# Allegro board dspeak-v1_00-0b.brd (continued)
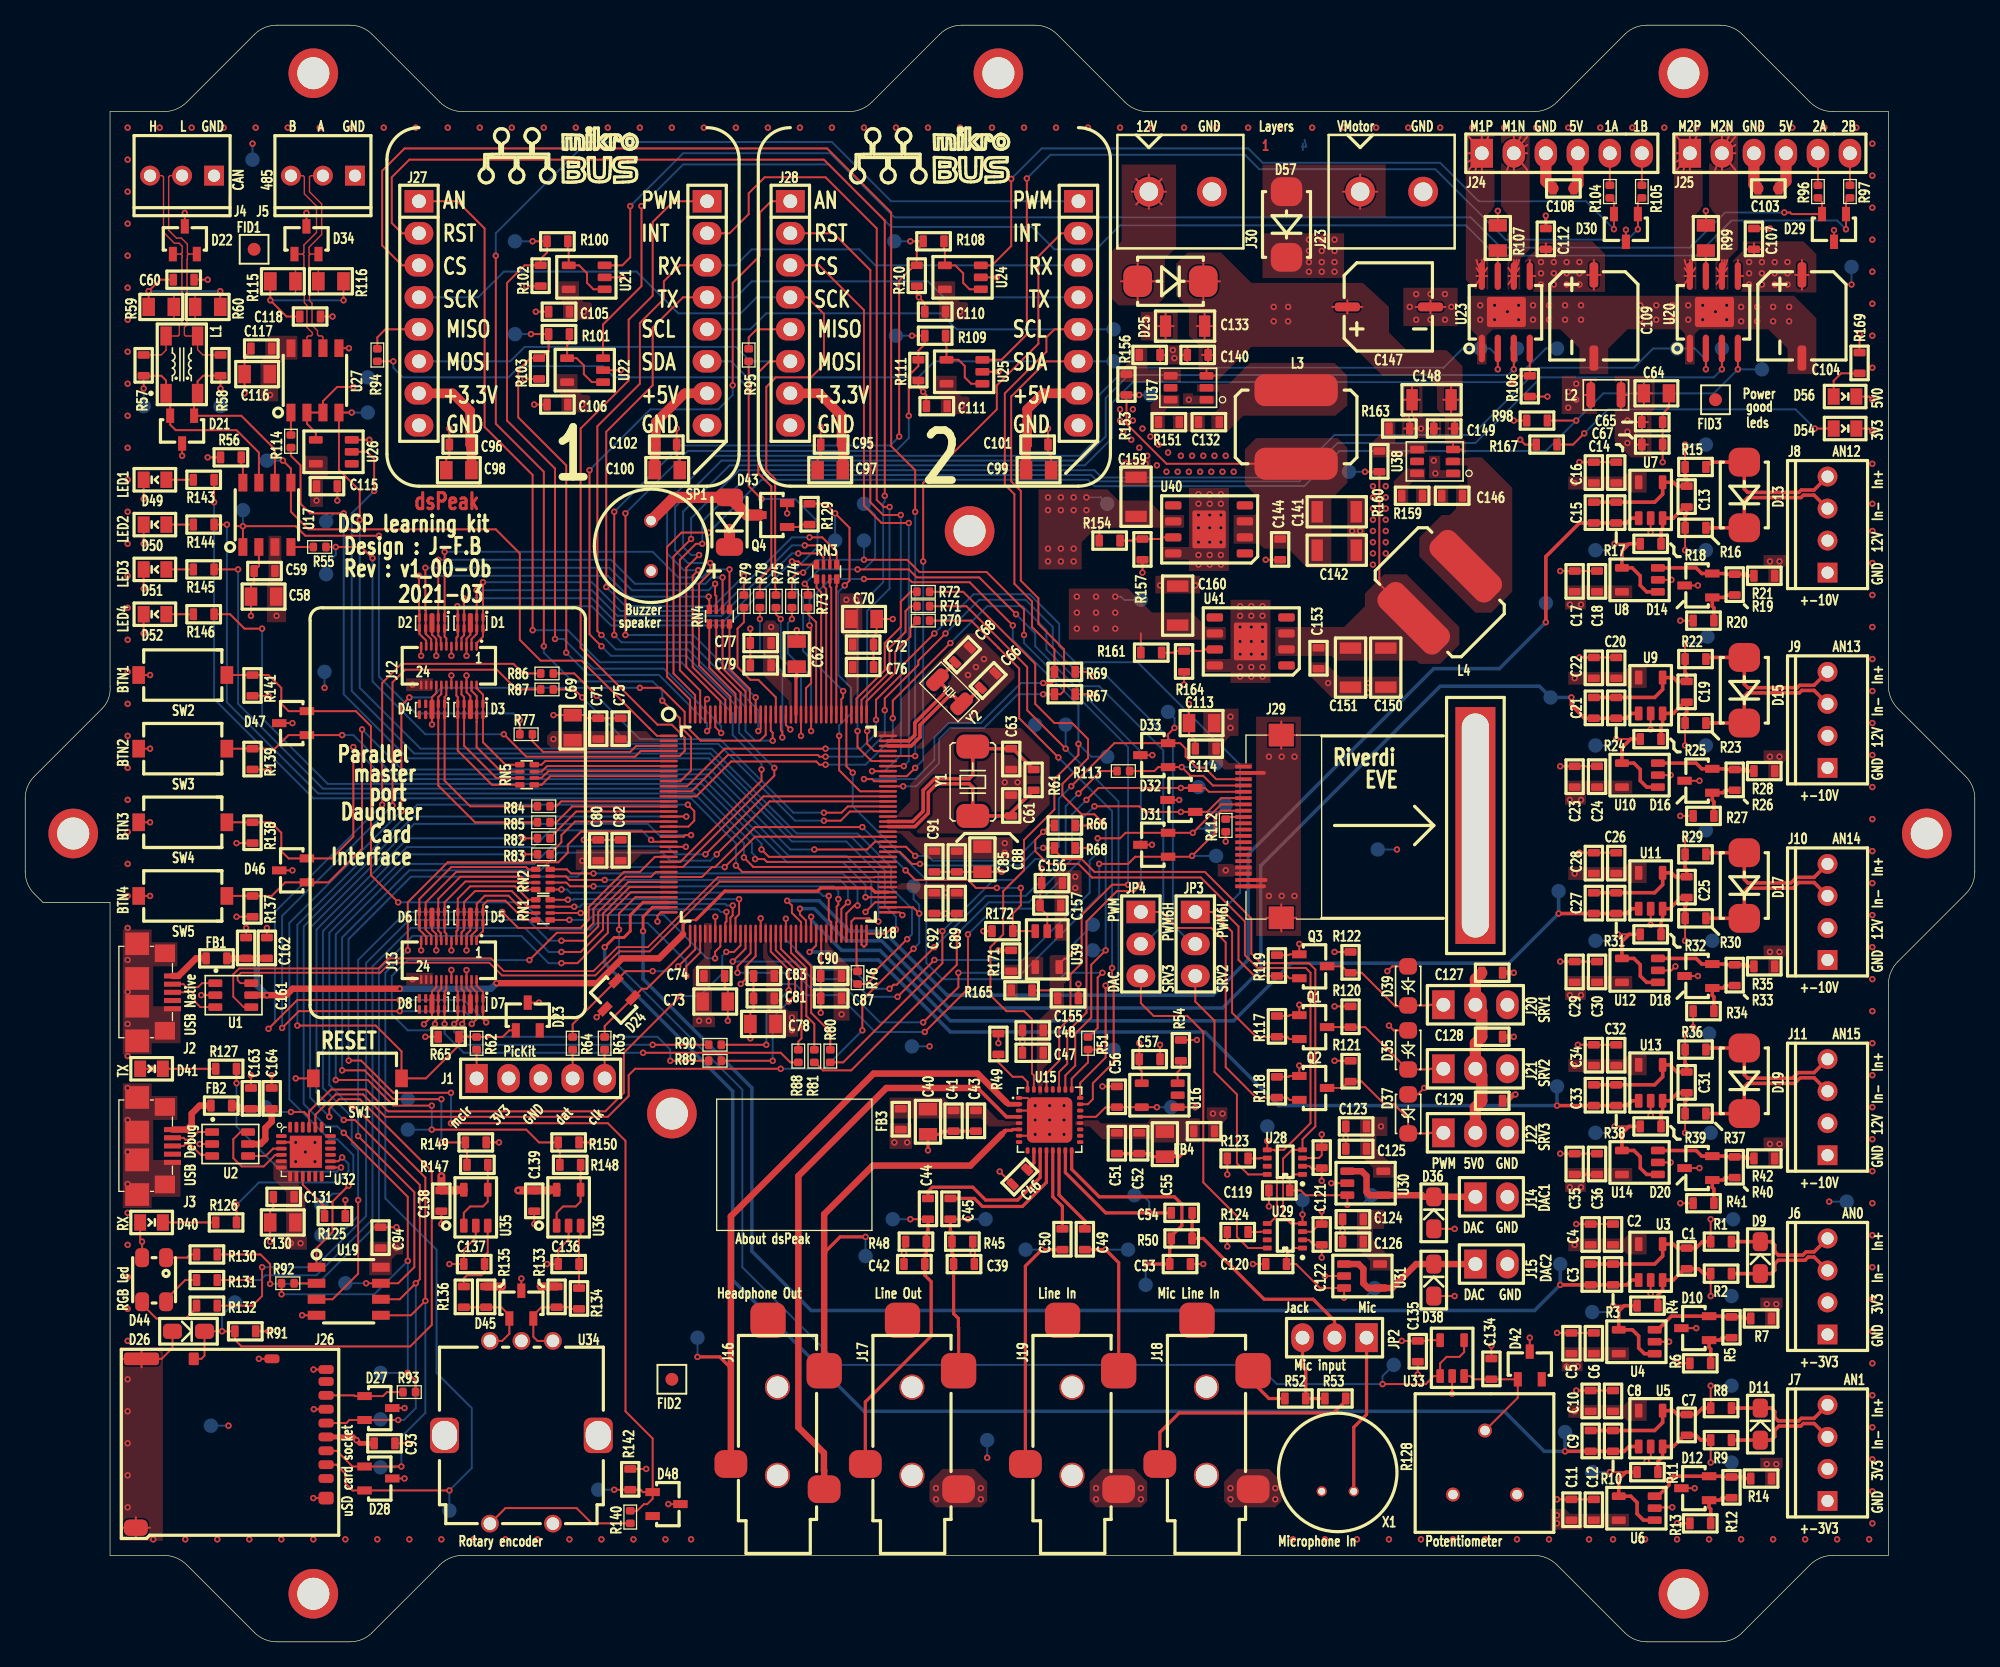
[diagram p0: board, top side]
## Routing (per net, layer and track width the routed paths; a pad name or vN(x,y) marks a point on that pad's centre or on a via; arc(x,y) is an arc through that point) (continued)
N843649_P5: length 62.5
  TOP w0.152: R104.2 126.06,114.24 D30.2 v1(126.06,112.09) ; U24.3 76.7,109.21 78.23,110.74 v1(78.23,116.08)
  BOTTOM w0.152: v1(78.23,116.08) 80.64,118.49 97.05,118.49 98.19,117.35 112.27,117.35 115.32,114.3 123.84,114.3 v1(126.06,112.09)
N844403_P4: length 6
  TOP w0.152: U22.1 44.96,99.95 44.32,100.58 44.32,101.28 43.75,101.85 U22.4 43,102.9 43.18,103.08 43.18,103.76
N844403_P5: length 6.1
  TOP w0.152: U25.1 75.06,99.82 74.55,100.33 74.55,101.22 74.05,101.72 U25.4 73.1,102.88 73.02,102.95 R109.2
N846095_P4: length 118.9
  TOP w0.152: U22.3 45.85,104.52 48.9,107.57 v1(48.9,113.92) ; R97.2 144.47,114.26 D29.1 v1(144.47,112.07)
  BOTTOM w0.152: v1(48.9,113.92) 52.2,117.22 63.75,117.22 68.71,112.27 79.88,112.27 81.66,110.49 84.96,110.49 86.87,112.4 114.3,112.4 116.71,109.98 132.59,109.98 135.38,112.78 143.76,112.78 v1(144.47,112.07)
N846095_P5: length 71.8
  TOP w0.152: R105.2 127.96,114.26 D30.1 v1(127.96,112.07) ; U25.3 76.7,101.72 76.7,101.73 77.47,101.73 79.47,103.73 v1(79.47,116.11)
  BOTTOM w0.152: v1(79.47,116.11) 81.34,117.98 96.77,117.98 97.92,116.84 111.89,116.84 117.47,111.25 127.13,111.25 v1(127.96,112.07)
N974265_P4: length 6
  TOP w0.152: R100.2 43.05,110.45 43.12,110.38 U21.4 43.95,109.21 44.58,108.59 44.58,107.82 45.09,107.31 U21.1
N974265_P5: length 6
  TOP w0.152: U24.1 74.93,107.31 74.42,107.82 74.42,108.59 73.79,109.21 U24.4 72.97,110.38 72.9,110.45 R108.2
N992554_P10: length 3.7
  TOP w0.279: R20.2 133.99,82.04 133.86,82.17 D14.1 134.81,82.86 135,83.06 R19.1
N992554_P13: length 3.7
  TOP w0.279: R26.1 134.89,67.56 134.7,67.37 D16.1 133.86,66.79 133.99,66.66 R27.2
N992554_P14: length 3.7
  TOP w0.279: R34.2 133.99,51.17 133.86,51.29 D18.1 134.7,51.88 134.89,52.07 R33.1
N992554_P15: length 3.7
  TOP w0.279: R40.1 134.89,36.83 134.7,36.64 D20.1 133.86,36.05 133.99,35.93 R41.2
N994718_P6: length 14.5
  TOP w0.152: R8.2 v1(133.73,20.32)
  TOP w0.279: C9.1 R10.1 129.29,16.76 129.92,17.4 129.92,18.34 U5.4 130.77,18.34 131.08,18.03 C7.1 132.57,18.03 133.08,18.54 R8.2
  BOTTOM w0.152: v1(133.73,20.32) TP21.1
N994718_P20: length 14.6
  TOP w0.152: R1.2 v1(133.73,33.53)
  TOP w0.279: C3.1 R3.1 129.29,29.97 129.92,30.61 129.92,31.55 U3.4 130.77,31.55 131.08,31.24 C1.1 132.57,31.24 133.08,31.75 R1.2
  BOTTOM w0.152: v1(133.73,33.53) TP17.1
N995010_P6: length 10
  TOP w0.152: R9.2 v1(133.73,14.22)
  TOP w0.279: R9.2 132.95,16 132.57,16.38 C7.2 131.65,16.38 130.76,15.49 U5.3 129.92,14.68 129.54,14.3 R11.1
  BOTTOM w0.152: v1(133.73,14.22) TP23.1
N995010_P20: length 10
  TOP w0.152: R2.2 v1(133.73,27.43)
  TOP w0.279: R4.1 129.54,27.51 129.92,27.89 U3.3 130.76,28.7 131.65,29.59 C1.2 132.78,29.59 133.16,29.21 R2.2
  BOTTOM w0.152: v1(133.73,27.43) TP19.1
N995406_P6: length 9.9
  TOP w0.152: 127,13.46 v1(125.73,13.46)
  TOP w0.279: U6.1 128.4,9.65 127.89,10.16 127.89,11.05 127.39,11.55 U6.4 126.44,12.9 127,13.46 R11.2
  BOTTOM w0.152: v1(125.73,13.46) TP24.1
N995406_P20: length 10
  TOP w0.152: v1(125.98,26.67) 126.87,26.67
  TOP w0.279: R4.2 126.87,26.67 126.44,26.23 U4.4 127.51,24.76 128.02,24.26 128.02,23.31 128.47,22.86 U4.1
  BOTTOM w0.152: TP20.1 125.48,26.16 v1(125.98,26.67)
N995498_P6: length 3.7
  TOP w0.279: R12.1 134.64,11.43 134.45,11.24 D12.1 133.6,10.65 133.73,10.53 R13.2
N995498_P20: length 3.7
  TOP w0.279: R6.2 133.73,23.23 133.6,23.35 D10.1 134.45,23.94 134.64,24.13 R5.1
NFAULT1: length 98.6
  TOP w0.152: U18.138 55.15,74.64 52.45,77.34 52.45,85.22 v1(53.47,86.23) ; v1(117.98,99.95) 118.49,100.46 119.38,100.46 U23.4
  BOTTOM w0.152: v1(53.47,86.23) 52.83,86.23 52.2,86.87 52.2,89.66 55.88,93.34 84.07,93.34 86.23,95.5 86.23,98.3 87.88,99.95 v1(117.98,99.95) 120.65,102.62 TP55.1
NFAULT2: length 111.1
  TOP w0.152: R98.2 v1(123.06,96.9) ; U20.4 v1(135.89,100.97) ; v1(54.23,88.01) 52.07,88.01 50.93,86.87 50.93,76.58 52.75,74.75 U18.144
  BOTTOM w0.152: v1(54.23,88.01) 58.42,92.2 84.33,92.2 84.84,91.69 101.47,91.69 104.27,94.49 120.65,94.49 v1(123.06,96.9) 125.22,99.06 133.99,99.06 v1(135.89,100.97) TP61.1
OSC1: length 17.3
  TOP w0.279: R61.1 78.23,65.79 C61.1 Y1.1 75.18,67.8 74.9,68.08 72.34,68.08 71.65,67.4 71.65,65.74 70.59,64.68 U18.90
OSC2: length 17.1
  TOP w0.279: 80.01,69.22 78.36,70.87 C63.1 75.35,70.87 Y1.2 75.18,68.76 74.9,68.49 72.17,68.49 71.25,67.56 71.25,65.91 70.42,65.09 68.46,65.09 U18.91
PMA0: length 38.2
  TOP w0.152: J12.1 35.81,79.24 36.32,79.75 D1.9 D1.1 v1(36.32,84.07) ; RN3.1 64.39,86.49 63.25,87.63 v1(62.23,87.63)
  BOTTOM w0.152: v1(62.23,87.63) 60.83,87.63 54.99,81.79 47.24,81.79 44.96,84.07 v1(36.32,84.07)
PMA1: length 36.9
  TOP w0.152: v1(35.81,83.44) 35.81,82.98 35.82,82.97 D1.2 D1.8 35.82,79.97 35.41,79.56 J12.3 ; RN3.2 63.84,86.28 63.12,87 v1(61.85,87)
  BOTTOM w0.152: v1(35.81,83.44) 44.96,83.44 46.99,81.41 55.25,81.41 60.83,87 v1(61.85,87)
PMA2: length 36.1
  TOP w0.152: v1(61.34,86.36) 63.03,86.36 63.34,86.05 RN3.3 ; J12.7 34.61,79.66 34.82,79.86 D1.7 D1.4 34.82,82.32 34.8,82.35 v1(34.8,82.8)
  BOTTOM w0.152: v1(61.34,86.36) 60.83,86.36 60.66,86.18 60.64,86.18 55.49,81.03 46.74,81.03 44.96,82.8 v1(34.8,82.8)
PMA3: length 34.6
  TOP w0.152: RN3.4 61.59,85.47 61.34,85.73 v1(60.83,85.73) ; J12.9 34.21,79.68 34.32,79.79 D1.6 D1.5 34.32,82.14 v1(34.29,82.17)
  BOTTOM w0.152: v1(60.83,85.73) 55.75,80.65 46.48,80.65 44.96,82.17 v1(34.29,82.17)
PMA4: length 34.4
  TOP w0.152: J12.13 33.41,79.62 33.27,79.76 D2.9 D2.1 v1(33.27,86.49) ; RN4.1 v1(55.88,85.09)
  BOTTOM w0.152: v1(33.27,86.49) 49.78,86.49 51.82,84.45 53.72,84.45 54.36,85.09 v1(55.88,85.09)
PMA5: length 33.1
  TOP w0.152: J12.15 32.97,79.04 32.97,79.65 32.77,79.85 D2.8 D2.2 32.77,85.39 32.77,85.39 v1(32.77,85.85) ; v1(55.33,84.45) RN4.2
  BOTTOM w0.152: v1(55.33,84.45) 54.48,84.45 53.98,83.95 48.39,83.95 46.48,85.85 v1(32.77,85.85)
PMA6: length 32.4
  TOP w0.152: J12.19 32.21,79.55 31.77,79.99 D2.7 D2.4 31.77,81.82 31.75,81.84 v1(31.75,85.22) ; v1(54.74,83.95) 54.74,83.07 54.83,82.97 RN4.3
  BOTTOM w0.152: v1(54.74,83.95) 54.23,83.44 48.13,83.44 46.36,85.22 v1(31.75,85.22)
PMA7: length 30.5
  TOP w0.152: v1(31.24,84.58) 31.24,81.85 31.27,81.82 D2.5 D2.6 31.27,79.98 31.81,79.44 J12.21 ; RN4.4 54.28,82.63 54.23,82.68 v1(54.23,82.93)
  BOTTOM w0.152: v1(54.23,82.93) 47.88,82.93 46.23,84.58 v1(31.24,84.58)
PMA8: length 8.4
  TOP w0.152: J12.2 35.81,75.66 36.32,75.16 D3.1 D3.9 36.32,71.37 38.1,69.6 RN5.1
PMA9: length 9.3
  TOP w0.152: RN5.2 37.76,69.05 35.81,70.99 35.81,73 35.82,73.01 D3.8 D3.2 35.82,75.05 35.41,75.46 J12.4
PMA10: length 10.4
  TOP w0.152: RN5.3 37.37,68.55 34.82,71.1 D3.7 D3.4 34.82,74.96 34.61,75.17 J12.8
PMA11: length 11.3
  TOP w0.152: J12.10 34.21,75.07 34.32,74.96 D3.5 D3.6 34.32,70.71 37.03,68 RN5.4
PMA12: length 15.9
  TOP w0.152: J12.14 33.41,75.1 33.27,74.96 D4.1 D4.9 33.27,68.33 35.31,66.29 R84.1
PMA13: length 17.1
  TOP w0.152: R85.1 35.69,65.02 32.77,67.94 D4.8 D4.2 32.77,74.96 33.01,75.2 J12.16
PMBE: length 33.4
  TOP w0.152: J13.14 33.41,51.73 33.27,51.59 D8.1 D8.9 v1(33.27,49.02) ; v1(49.02,46.74) 59.94,46.74 60.71,45.97 R88.1
  BOTTOM w0.152: v1(49.02,46.74) 34.8,46.74 33.27,48.26 v1(33.27,49.02)
PMCS1: length 67.4
  TOP w0.152: J13.2 35.81,52.07 36.32,51.56 D7.1 D7.9 36.32,49.4 v1(36.58,49.15) ; v1(29.72,50.93) 21.59,50.93 v1(19.3,48.64) ; v1(28.32,66.42) 28.32,76.07 29.84,77.6 38.73,77.6 39.5,76.84 R86.1
  BOTTOM w0.152: v1(28.32,66.42) 19.81,57.91 19.81,49.15 v1(19.3,48.64) ; v1(36.58,49.15) 34.8,50.93 v1(29.72,50.93)
PMCS2: length 64
  TOP w0.152: v1(20.38,48.7) 21.72,50.04 v1(29.72,50.04) ; R87.1 38.99,75.56 37.42,77.13 30.14,77.13 29.15,76.14 v1(29.15,66.36) ; v1(35.43,49.02) 35.82,49.41 D7.8 D7.2 35.82,51.55 35.41,51.96 J13.4
  BOTTOM w0.152: v1(35.43,49.02) 35.43,49.48 34.87,50.04 v1(29.72,50.04) ; v1(29.15,66.36) 20.38,57.59 v1(20.38,48.7)
PMD0: length 8
  TOP w0.152: RN1.8 39.62,57.28 38.1,58.8 36.67,58.8 36.32,58.45 D5.1 D5.9 36.32,56.38 35.81,55.88 J13.1
PMD1: length 8.6
  TOP w0.152: RN1.7 39.71,57.83 38.34,59.2 36.47,59.2 35.82,58.56 D5.2 D5.8 35.82,56.47 35.41,56.06 J13.3
PMD2: length 9.7
  TOP w0.152: J13.7 34.61,56.29 34.82,56.5 D5.7 D5.4 34.82,58.7 35.69,59.56 38.61,59.56 39.84,58.33 RN1.6
PMD3: length 10.4
  TOP w0.152: RN1.5 39.93,58.88 38.86,59.94 35.31,59.94 34.32,58.96 D5.5 D5.6 34.32,56.5 34.21,56.39 J13.9
PMD4: length 11.3
  TOP w0.152: J13.13 33.41,56.18 33.27,56.32 D6.9 D6.1 33.27,58.67 34.92,60.32 39.12,60.32 39.75,59.69 RN2.8
PMD5: length 12.1
  TOP w0.152: RN2.7 39.84,60.24 39.37,60.71 34.53,60.71 32.77,58.95 D6.2 D6.8 32.77,56.43 32.97,56.23 32.97,55.67 J13.15
PMD6: length 13.1
  TOP w0.152: J13.19 32.21,56.05 31.77,56.49 D6.7 D6.4 31.77,58.66 34.2,61.09 39.58,61.09 39.93,60.74 RN2.6
PMD7: length 13.9
  TOP w0.152: RN2.5 39.93,61.29 39.75,61.47 33.81,61.47 31.27,58.94 D6.5 D6.6 31.27,56.5 31.57,56.2 31.57,56.2 31.81,55.96 J13.21
PMP_GPIO: length 37
  TOP w0.152: v1(40.01,54.09) 42.18,56.26 44.32,56.26 45.09,57.02 45.09,58.17 47.62,60.71 49.66,60.71 50.03,61.08 U18.28 ; J13.16 33.01,51.83 32.77,51.59 D8.2 D8.8 32.77,49.54 32.51,49.28 v1(32.51,49.02)
  BOTTOM w0.152: v1(32.51,49.02) 32,48.51 30.35,48.51 29.08,49.78 29.08,52.83 30.34,54.09 v1(40.01,54.09)
PMRD: length 24.9
  TOP w0.152: R90.1 v1(49.78,47.37) ; J13.10 34.21,51.7 34.32,51.59 D7.5 D7.6 34.32,49.32 34.21,49.21 34.21,49.2 v1(34.04,49.02)
  BOTTOM w0.152: v1(49.78,47.37) 35.05,47.37 34.04,48.39 v1(34.04,49.02)
PMWR: length 25.3
  TOP w0.152: J13.8 34.61,51.8 34.82,51.59 D7.4 D7.7 34.82,49.17 v1(34.67,49.02) ; R89.1 v1(51.18,46.1)
  BOTTOM w0.152: v1(34.67,49.02) 34.67,48.51 35.18,48.01 50.16,48.01 51.18,46.99 v1(51.18,46.1)
PWM1H: length 95.6
  TOP w0.152: U18.137 55.55,74.75 52.96,77.34 52.96,84.58 v1(53.4,85.03) ; U23.2 v1(116.84,100.97)
  BOTTOM w0.152: v1(53.4,85.03) 52.26,85.03 50.93,86.36 50.93,90.42 54.61,94.11 83.69,94.11 85.22,95.63 85.22,98.93 87.38,101.09 112.52,101.09 114.05,102.62 TP54.1 116.22,102.62 116.84,101.99 v1(116.84,100.97)
PWM1L: length 96.3
  TOP w0.152: U18.136 55.95,74.98 53.47,77.47 53.47,83.95 54.36,84.84 v1(54.36,85.6) ; U23.3 v1(118.11,100.97)
  BOTTOM w0.152: v1(54.36,85.6) 52.58,85.6 51.56,86.61 51.56,90.04 55.25,93.73 83.82,93.73 85.72,95.63 85.72,98.68 87.55,100.51 117.65,100.51 v1(118.11,100.97) 118.11,101.42 118.36,101.68 TP53.1
PWM2H: length 106.2
  TOP w0.152: U20.2 v1(133.35,100.97) ; v1(52.83,87.5) 51.44,86.11 51.44,76.84 53.15,75.12 U18.143
  BOTTOM w0.152: v1(133.35,100.97) 133.35,101.73 132.46,102.62 TP60.1 129.16,102.62 127.63,101.09 120.14,101.09 114.81,95.76 103.89,95.76 100.51,92.38 85.42,92.38 84.84,92.96 56.64,92.96 52.83,89.15 v1(52.83,87.5)
PWM2L: length 106.6
  TOP w0.152: U18.142 53.55,75.48 51.94,77.09 51.94,85.85 53.21,87.12 v1(53.72,87.12) ; TP59.1 v1(134.62,100.97)
  BOTTOM w0.152: TP59.1 v1(134.62,100.97) 133.99,100.33 120.27,100.33 115.06,95.12 104.14,95.12 101.09,92.08 85.09,92.08 84.58,92.58 57.4,92.58 53.72,88.9 v1(53.72,87.12)
PWM5H: length 82.3
  TOP w0.152: v1(72.14,80.01) 69.6,77.47 69.6,76.84 67.51,74.75 v1(67.51,73.15) ; v1(63.5,70.87) 55.5,70.87 52.52,67.88 U18.11 ; Q3.2 100.32,52.65 100.13,52.83 R119.1 97.54,52.83 96.27,54.1 96.27,56.77 v1(95,58.04)
  BOTTOM w0.152: v1(72.14,80.01) 75.25,83.12 79.69,83.12 82.04,80.77 82.04,78.99 83.31,77.72 88.27,77.72 96.39,69.6 96.39,59.44 v1(95,58.04) ; v1(67.51,73.15) 67.51,72.08 66.29,70.87 v1(63.5,70.87)
PWM6H: length 69.3
  TOP w0.152: v1(63.5,69.6) 63.02,69.6 62.76,69.85 56.01,69.85 53.24,67.08 U18.13 ; v1(68.83,73.28) 68.83,74.68 v1(73.41,79.25)
  BOTTOM w0.152: v1(68.83,73.28) 68.83,71.76 66.67,69.6 v1(63.5,69.6) ; JP4.2 88.77,55.37 90.3,56.9 90.3,70.74 85.22,75.82 83.95,75.82 81.03,78.74 81.03,80.26 79.12,82.17 76.33,82.17 v1(73.41,79.25)
PWM6L: length 70.8
  TOP w0.152: v1(68.2,73.91) 68.2,74.85 70.87,77.52 70.87,77.85 v1(73.02,80.01) ; U18.12 52.88,67.48 55.75,70.36 62.89,70.36 63.02,70.23 v1(63.5,70.23)
  BOTTOM w0.152: v1(68.2,73.91) 68.2,72.01 66.42,70.23 v1(63.5,70.23) ; v1(73.02,80.01) 75.69,82.68 79.38,82.68 81.53,80.52 81.53,78.87 83.18,77.22 85.22,77.22 91.06,71.37 91.06,56.9 92.58,55.37 JP3.2
QEA1: length 70.5
  TOP w0.152: v1(58.17,72.26) 58.35,72.45 U18.130 ; v1(69.34,95.63) 69.34,108 70.56,109.22 R110.2 70.74,110.44 71.25,110.95 R108.1 v1(70.23,111.12) ; v1(46.74,79.88) v1(46.74,89.66)
  BOTTOM w0.152: v1(46.74,89.66) 51.99,94.92 68.63,94.92 v1(69.34,95.63) ; v1(70.23,111.12) TP57.1 ; v1(46.74,79.88) 47.31,79.31 52.77,79.31 58.17,73.91 v1(58.17,72.26)
QEA1_IN: length 2.5
  TOP w0.152: J24.5 R104.1
QEA2: length 56
  TOP w0.152: v1(40.26,111.12) R100.1 41.4,110.23 40.89,109.72 R102.2 39.62,109.22 38.23,107.82 38.23,96.9 42.04,93.09 v1(42.04,79.57) ; U18.139 54.75,72.58 v1(55.22,72.11)
  BOTTOM w0.152: v1(55.22,72.11) 55.22,72.67 50.67,77.22 45.09,77.22 42.73,79.57 v1(42.04,79.57) ; v1(40.26,111.12) TP63.1
QEA2_IN: length 2.5
  TOP w0.152: J25.5 R96.1
QEB1: length 59.3
  TOP w0.152: v1(70.1,97.28) 70.1,100.46 70.87,101.22 R111.2 70.87,102.45 71.37,102.95 R109.1 v1(70.36,103.63) ; U18.131 v1(57.95,74.93) ; v1(47.62,79.88) v1(47.62,89.54)
  BOTTOM w0.152: v1(47.62,89.54) 52.58,94.49 69.09,94.49 70.1,95.5 v1(70.1,97.28) ; v1(47.62,79.88) 53,79.88 v1(57.95,74.93) ; v1(70.36,103.63) TP58.1
QEB1_IN: length 2.5
  TOP w0.152: J24.6 R105.1
QEB2: length 46.6
  TOP w0.152: v1(40.13,103.76) R101.1 41.53,102.44 40.94,101.85 R103.2 40.09,101.85 39.12,100.88 39.12,97.16 42.93,93.34 v1(42.93,78.49) ; U18.140 54.35,72.51 v1(54.1,72.26)
  BOTTOM w0.152: v1(42.93,78.49) 44.7,76.71 50.29,76.71 54.1,72.9 v1(54.1,72.26) ; v1(40.13,103.76) TP64.1
QEB2_IN: length 2.5
  TOP w0.152: J25.6 R97.1
RCDAC1: length 11.7
  TOP w0.152: 107,35.44 106.99,35.43
  TOP w0.508: J14.1 D36.2 110.96,35.31 110.82,35.44 U30.4 107,35.44 ; U30.1 106.04,37.34 106.43,36.96 106.43,35.69 106.68,35.43 106.99,35.43
RCDAC2: length 12.7
  TOP w0.152: 106.74,28.07 106.74,28.07
  TOP w0.508: U31.1 105.79,29.97 106.17,29.59 106.17,28.45 106.55,28.07 106.74,28.07 ; 106.74,28.07 U31.4 108.46,28.07 110.36,29.97 D38.2 J15.1
ROT_ENC_A: length 77.5
  TOP w0.152: v1(33.02,39.62) R149.2 34.92,38.95 35.05,38.82 R147.1 ; v1(54.86,62.48) 59.06,66.68 U18.95 ; v1(25.15,45.34) 26.92,45.34 29.21,43.05 v1(33.02,43.05)
  BOTTOM w0.152: v1(33.02,39.62) v1(33.02,43.05) TP74.1 ; v1(25.15,45.34) 25.15,55.88 30.48,61.21 40.89,61.21 42.29,62.61 50.55,62.61 51.18,61.98 54.36,61.98 v1(54.86,62.48)
ROT_ENC_B: length 85
  TOP w0.152: U18.96 58.57,67.08 v1(53.98,62.48) ; v1(32.26,42.54) 29.21,42.54 27.18,44.58 v1(24.64,44.58) ; v1(32.26,40.64) 39.75,40.64 40.77,39.62 R150.2 42.29,38.95 42.42,38.82 R148.1
  BOTTOM w0.152: v1(24.64,44.58) 24.64,56.13 30.23,61.72 40.39,61.72 41.78,63.12 50.93,63.12 51.56,62.48 v1(53.98,62.48) ; v1(32.26,42.54) v1(32.26,40.64) TP75.1
ROT_ENC_SW: length 117.7
  TOP w0.152: v1(33.78,41.15) 46.23,41.15 47.62,39.75 47.62,18.29 49.78,16.13 D48.1 ; D48.1 49.01,11.88 48.82,12.06 R142.2 v1(46.74,12.06) ; D48.1 49.78,11.36 49.35,10.92 49.08,10.92 48.56,10.4 R140.2 ; v1(55.5,61.47) 57.91,63.88 U18.88 ; v1(33.78,43.56) 29.21,43.56 26.65,46.12 v1(25.67,46.12)
  BOTTOM w0.152: v1(55.5,61.47) 44.58,61.47 43.82,60.71 30.61,60.71 25.65,55.75 25.65,46.1 v1(25.67,46.12) ; v1(33.78,41.15) v1(33.78,43.56) ; v1(46.74,12.06) TP72.1
RSTB: length 3.9
  TOP w0.152: R125.2 23.75,34.54 22.02,36.27 U32.9
RX_LED: length 15.3
  TOP w0.152: U32.13 v1(25.06,37.63) ; v1(16.76,44.32) R127.1
  BOTTOM w0.152: v1(25.06,37.63) 24.74,37.31 20.35,37.31 16.76,40.89 v1(16.76,44.32)
SD_NCS: length 87
  TOP w0.152: v1(33.66,12.01) D28.2 25.96,12.01 25.4,12.57 25.4,13.33 24.68,14.05 J26.2 ; U18.20 44.09,64.28 43.05,63.25 43.05,62.61 42.29,61.85 33.53,61.85 30.35,58.67 v1(30.35,54.86)
  BOTTOM w0.152: v1(30.35,54.86) 28.58,53.09 28.58,35.18 32.64,31.12 32.64,21.34 35.43,18.54 35.43,13.79 v1(33.66,12.01) TP50.1
SD_NDETECT: length 100.3
  TOP w0.152: J26.10 13.98,22.45 14.22,22.7 D26.2 v1(15.62,24.64) R91.2 16.64,23.96 17.16,23.44 30.55,23.44 32.26,25.15 32.26,37.34 26.54,43.05 24.89,43.05 24.13,42.29 v1(24.13,41.66) ; v1(52.83,64.01) 52.37,64.01 52.25,63.88 U18.21
  BOTTOM w0.152: v1(15.62,24.64) 15.62,25.91 TP94.1 ; v1(52.83,64.01) 50.29,64.01 49.4,64.9 30.86,64.9 22.61,56.64 22.61,43.18 v1(24.13,41.66)
SERVO1: length 10.6
  TOP w0.152: J20.1 111.43,50.55 111.38,50.49 D39.2 109.65,50.42 108.71,50.42 106.04,53.09 R122.1 104.98,53.09 104.47,53.6 Q3.3
SERVO2: length 10.6
  TOP w0.152: Q1.3 104.47,48.77 104.48,48.77 R120.1 106.32,48.77 109.68,45.41 D35.2 111.38,45.41 111.43,45.47 J21.1
SERVO3: length 11.9
  TOP w0.152: Q2.3 104.48,43.95 104.98,44.45 R121.1 106.05,44.45 107.82,42.67 108.59,42.67 109.73,41.53 D37.2 111.38,40.33 111.43,40.39 J22.1
SOSCI: length 10.3
  TOP w0.279: U18.106 70.29,71.08 70.99,71.78 70.99,72.74 73.29,75.04 73.68,75.04 Y2.1 74.55,74.42 C66.1
SOSCO: length 9.9
  TOP w0.279: U18.107 68.46,71.49 70.12,71.49 70.59,71.95 70.59,72.91 73,75.32 73,75.72 Y2.2 72.39,76.33 C68.1
SPI1_MISO: length 40.2
  TOP w0.152: v1(72.14,55.12) 69.16,52.14 68.9,52.14 v1(68.58,51.82) ; R113.2 85.34,69.09 v1(83.57,67.31) ; U18.56 v1(60.35,57.37)
  BOTTOM w0.152: v1(83.57,67.31) 82.55,66.29 82.55,62.36 79.38,59.18 76.21,59.18 72.96,55.93 72.95,55.93 v1(72.14,55.12) ; v1(68.58,51.82) 67.18,51.82 65.66,53.34 62.74,53.34 60.35,55.72 v1(60.35,57.37)
SPI1_MOSI: length 48.6
  TOP w0.152: v1(73.91,56.13) 73.91,53.72 65.53,45.34 63.3,45.34 62.66,45.97 R81.1 ; J29.5 93.91,67.44 93.61,67.75 D32.2 v1(91.69,67.75) 85.15,67.75 v1(84.2,66.8)
  BOTTOM w0.152: v1(84.2,66.8) 83.06,65.66 83.06,62.1 79.63,58.67 76.45,58.67 v1(73.91,56.13) ; v1(91.69,67.75) 92.15,67.75 92.22,67.82 TP98.1
SPI1_NCS: length 62.2
  TOP w0.152: v1(84.84,66.29) 88.39,66.29 88.84,65.85 v1(91.69,65.85) D32.1 93.79,65.85 94.88,66.94 J29.6 ; v1(71.37,48.39) 74.8,51.82 v1(74.8,56.13) ; v1(56.77,52.2) 57.15,52.58 57.15,53.59 57.95,54.4 U18.50
  BOTTOM w0.152: v1(71.37,48.39) 67.44,48.39 64.52,51.31 61.98,51.31 61.09,52.2 v1(56.77,52.2) ; v1(74.8,56.13) 76.83,58.17 79.88,58.17 83.69,61.98 83.69,65.15 v1(84.84,66.29) ; v1(91.69,65.85) 94.68,65.85 TP97.1
SPI1_SCLK: length 51.5
  TOP w0.152: D33.2 91.64,71.3 92.07,70.87 92.07,70.23 92.96,69.34 93.6,69.34 94.5,68.44 J29.3 ; D33.2 86.42,71.3 v1(82.99,67.88) ; D33.2 90.68,72.01 v1(91.19,72.52) ; v1(72.77,56.39) 72.77,53.85 64.9,45.97 R80.1
  BOTTOM w0.152: v1(82.99,67.88) 82.01,66.9 82.01,63.09 81.03,62.1 80.14,62.1 78.49,60.45 76.83,60.45 v1(72.77,56.39) ; TP100.1 91.19,73.28 v1(91.19,72.52)
SPI2_MISO: length 90.7
  TOP w0.152: v1(25.27,40.39) 30.35,35.31 v1(30.35,30.23) ; R92.2 v1(20.34,27.58) ; U18.17 v1(52.45,65.48) ; v1(30.35,21.34) 30.97,20.72 R93.2
  BOTTOM w0.152: v1(25.27,40.39) 24.77,40.89 23.88,40.89 22.1,42.67 22.1,56.77 30.81,65.48 v1(52.45,65.48) ; v1(20.34,27.58) 27.7,27.58 v1(30.35,30.23) v1(30.35,21.34) TP48.1
SPI2_MOSI: length 77.7
  TOP w0.152: R83.1 v1(39.5,62.48) ; v1(25.91,42.42) 26.16,42.42 31.75,36.83 v1(31.75,27.05) 30.61,25.91 U19.5 ; J26.3 24.72,15.15 25.97,13.91 D28.1 v1(29.84,13.91)
  BOTTOM w0.152: v1(31.75,27.05) 31.75,18.16 29.84,16.26 v1(29.84,13.91) 29.39,13.91 29.32,13.84 TP47.1 ; v1(39.5,62.48) 30.35,62.48 24.13,56.26 24.13,44.2 v1(25.91,42.42)
SPI2_SCLK: length 74.9
  TOP w0.152: J26.5 25.48,17.35 25.73,17.6 D27.2 v1(29.59,17.6) ; v1(39.5,63.75) R82.1 ; v1(25.27,41.4) 26.16,41.4 31.31,36.25 31.31,28.77 v1(30.99,28.45) 29.72,27.18 U19.6
  BOTTOM w0.152: v1(30.99,28.45) 30.99,18.54 30.05,17.6 v1(29.59,17.6) 28.9,17.6 28.84,17.65 TP49.1 ; v1(25.27,41.4) 23.11,43.56 23.11,56.51 30.35,63.75 v1(39.5,63.75)
SPI3_MOSI: length 71.5
  TOP w0.152: v1(88.52,60.07) 88.01,59.56 86.61,59.56 84.2,57.15 84.2,49.91 82.68,48.39 82.68,45.86 82.03,45.21 U15.27 ; v1(78.61,81.53) 75.69,84.45 70.74,84.45 70.1,85.09 v1(66.04,85.09) ; v1(61.85,83.95) 62.1,83.69 R73.1
  BOTTOM w0.152: v1(78.61,81.53) 80.14,80.01 80.14,78.99 88.52,70.61 v1(88.52,60.07) ; v1(61.85,83.95) 62.99,85.09 v1(66.04,85.09) 66.55,85.09 67.44,85.98 67.44,89.41 TP25.1
SPI3_NCS: length 74.5
  TOP w0.152: U15.31 80.03,44.94 79.88,45.08 79.88,49.4 79.25,50.04 77.85,50.04 76.58,51.31 76.58,55.12 77.6,56.13 77.6,59.56 79.25,61.21 79.25,63.63 81.66,66.04 81.66,68.45 83.57,70.36 v1(83.57,71.25) ; U18.121 61.95,75.67 62.36,76.07 62.36,80.52 v1(62.23,80.65) ; v1(78.36,80.65) 74.93,84.07 70.36,84.07 70.1,84.33 v1(66.55,84.33)
  BOTTOM w0.152: v1(62.23,80.65) 62.23,82.68 63.88,84.33 v1(66.55,84.33) ; TP27.1 84.58,70.23 v1(83.57,71.25) 83.57,74.3 78.36,79.5 v1(78.36,80.65)
SPI3_SCLK: length 68.4
  TOP w0.152: U15.29 81.03,45.09 82.04,46.1 82.04,48.64 82.93,49.53 82.93,52.96 83.82,53.85 83.82,57.66 86.23,60.07 v1(87.5,60.07) ; v1(66.55,85.85) 69.98,85.85 70.94,84.89 76.28,84.89 79.25,81.91 v1(79.25,79.88) ; v1(61.72,84.84) 61.26,84.84 60.83,84.4 R74.1
  BOTTOM w0.152: TP26.1 v1(66.55,85.85) 62.74,85.85 v1(61.72,84.84) ; v1(79.25,79.88) 79.25,79.25 87.5,70.99 v1(87.5,60.07)
SPI4_MISO: length 65.6
  TOP w0.152: v1(58.42,90.68) 57.4,91.69 v1(57.4,99.44) R95.1 ; v1(64.9,75.44) 64.9,74.93 64.75,74.79 U18.114 ; R94.1 v1(29.21,101.6)
  BOTTOM w0.152: v1(64.9,75.44) 61.72,78.61 61.72,82.8 61.09,83.44 61.09,85.09 62.87,86.87 62.87,88.9 61.09,90.68 v1(58.42,90.68) ; v1(57.4,99.44) 56.52,100.33 46.74,100.33 45.85,101.22 39.24,101.22 38.35,100.33 29.97,100.33 29.21,101.09 v1(29.21,101.6)
SPI4_MOSI: length 51.8
  TOP w0.152: R78.1 58.29,84.33 59.2,85.23 59.2,91.68 58.17,92.71 58.17,100.71 59.05,101.6 J28.6
  BOTTOM w0.152: J28.6 57.53,101.6 56.39,102.74 39.62,102.74 38.48,101.6 J27.6
SPI4_SCLK: length 61.6
  TOP w0.152: R75.1 59.56,83.56 59.5,83.62 59.5,92.26 58.8,92.96 58.8,99.57 59.56,100.33 62.36,100.33 63.37,101.35 63.37,105.36 62.05,106.68 J28.4
  BOTTOM w0.152: J27.4 35.94,106.68 37.98,108.72 48.5,108.72 51.82,105.41 56.77,105.41 58.04,106.68 J28.4
SWPWM_RGB_B: length 64.9
  TOP w0.152: v1(42.55,55.63) 44.32,55.63 45.47,56.77 45.47,57.91 47.84,60.28 U18.30 ; R132.1 18.03,26.67 18.8,27.43 v1(18.8,29.72)
  BOTTOM w0.152: v1(18.8,29.72) 22.99,29.72 27.05,33.78 27.05,53.87 30.46,57.28 39.9,57.28 41.55,55.63 v1(42.55,55.63)
SWPWM_RGB_G: length 62.8
  TOP w0.152: U18.31 47.94,59.88 45.85,57.78 45.85,56.51 44.07,54.74 v1(42.55,54.74) ; v1(17.91,28.7) R131.1
  BOTTOM w0.152: v1(42.55,54.74) 41.54,54.74 39.63,56.64 30.61,56.64 27.56,53.59 27.56,33.53 23.11,29.08 19.05,29.08 18.67,28.7 v1(17.91,28.7)
SWPWM_RGB_R: length 64.9
  TOP w0.152: v1(19.43,28.4) 19.43,29.97 18.67,30.73 R130.1 ; v1(42.55,53.85) 43.82,53.85 46.23,56.26 46.23,57.66 48.05,59.48 U18.32
  BOTTOM w0.152: v1(19.43,28.4) 23.19,28.4 28.07,33.27 28.07,53.34 29.9,55.17 29.9,55.18 30.16,55.45 30.18,55.45 30.73,56.01 39.37,56.01 41.53,53.85 v1(42.55,53.85)
TX_LED: length 13.7
  TOP w0.152: v1(16.76,34.67) R126.1 ; v1(25.15,38.43) 24.85,38.13 U32.14
  BOTTOM w0.152: v1(16.76,34.67) 18.54,36.45 24.77,36.45 25.65,37.34 25.65,37.92 v1(25.15,38.43)
UART1_CTS: length 79.2
  TOP w0.152: v1(27.69,91.31) 27.69,93.85 27.12,94.42 U26.2 ; U18.71 66.35,55.31 66.55,55.12 66.75,55.32 U18.72 68.3,56.18 68.63,56.51 v1(69.09,56.51)
  BOTTOM w0.152: v1(27.69,91.31) 25.91,89.54 25.91,75.44 30.86,70.48 54.36,70.48 61.01,63.83 65.58,63.83 68.2,61.21 68.2,58.42 69.09,57.53 v1(69.09,56.51)
UART1_RX: length 80
  TOP w0.152: R114.2 21.08,94.11 21.84,93.34 21.84,90.3 22.61,89.54 v1(25.27,89.54) ; v1(67.69,57.15) 67.23,57.15 66.98,57.4 65.79,57.4 65.55,57.17 U18.69
  BOTTOM w0.152: v1(67.69,57.15) 67.69,60.96 65.15,63.5 60.83,63.5 54.23,70.1 30.35,70.1 25.27,75.18 v1(25.27,89.54) 24.51,89.54 TP65.1
UART1_TX: length 85.1
  TOP w0.152: v1(69.98,55.75) 67.31,53.09 67.31,52.7 66.8,52.2 R76.1 ; v1(25.91,97.54) U27.4 24.89,92.99 26.54,91.34 v1(26.54,89.03)
  BOTTOM w0.152: v1(25.91,97.54) TP67.1 ; v1(69.98,55.75) 70.36,56.13 70.36,58.17 68.71,59.82 68.71,61.47 66.04,64.14 61.21,64.14 54.48,70.87 31.37,70.87 26.54,75.69 v1(26.54,89.03)
UART2_RX: length 85.2
  TOP w0.152: v1(59.31,71.5) 59.31,72.14 59.15,72.29 U18.128 ; v1(45.72,79.88) 45.4,80.21 45.4,96.45 48.77,99.82 48.77,104.65 50.67,106.55 50.67,107.95 51.94,109.22 54.1,109.22
  BOTTOM w0.152: v1(45.72,79.88) 46.86,78.74 52.58,78.74 57.15,74.17 57.15,72.26 57.91,71.5 v1(59.31,71.5) ; J28.14 67.44,109.22 66.17,110.49 57.66,110.49 56.39,109.22 54.1,109.22
UART2_TX: length 72
  TOP w0.152: R79.1 v1(57.02,84.58) ; v1(46.1,83.69) 46.1,96.01 49.78,99.7 49.78,104.27 52.2,106.68 54.1,106.68
  BOTTOM w0.152: v1(46.1,83.69) 47.62,82.17 54.61,82.17 v1(57.02,84.58) ; 54.1,106.68 56.39,106.68 57.66,107.95 71.63,107.95 72.9,106.68 J28.13
UART3_RX: length 49.8
  TOP w0.152: 22.52,41.66 22.14,42.04 v1(21.08,42.04) ; 22.52,41.66 U32.21 ; 22.52,41.66 22.52,42.08 24.26,43.81 27.05,43.81 28.78,42.09 46.02,42.09 47.5,43.56 47.5,46.74 v1(52.01,51.24) ; v1(55.63,54.74) 56.24,54.74 56.75,55.25 U18.47
  BOTTOM w0.152: v1(21.08,42.04) 20.08,42.04 19.7,42.42 TP70.1 ; v1(52.01,51.24) 53.53,51.24 55.3,53.02 55.3,54.41 v1(55.63,54.74)
UART3_TX: length 65.8
  TOP w0.152: v1(70.94,57.78) 70.44,58.28 U18.74 ; v1(66.42,48.51) 66.42,50.93 v1(70.48,54.99) ; v1(59.94,45.47) 48.39,45.47 47.88,44.96 47.88,43.31 46.23,41.66 28.58,41.66 26.8,43.43 24.64,43.43 23.02,41.82 U32.20